# Allegro board WNS_FDM_2V1-1221P2.brd (continued)
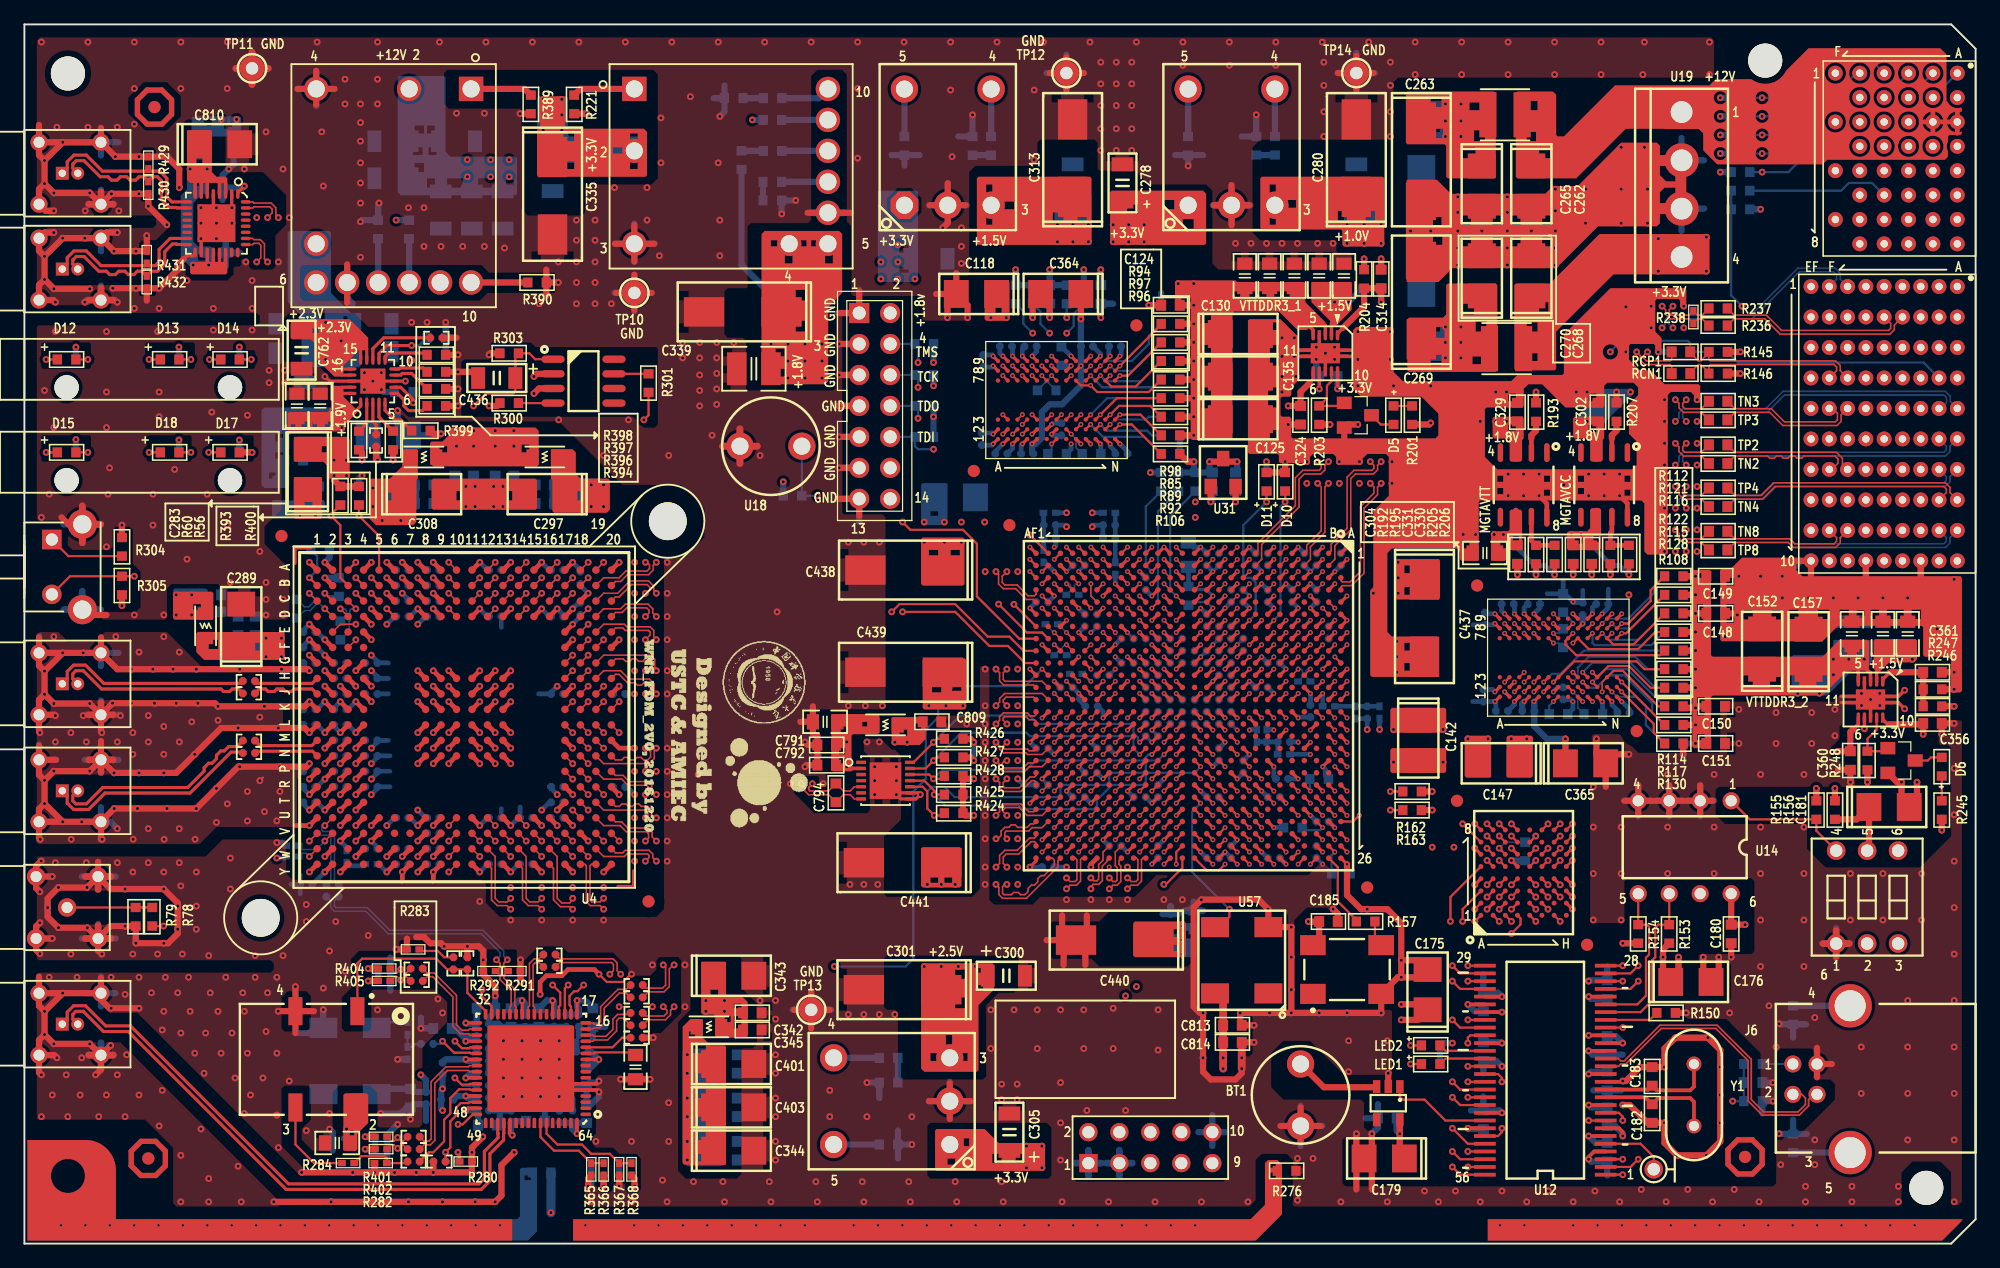
[diagram p0: board, top side]
## Nets (continued)
DDR3_1_A1: R84.2 U10.L7(A1) U15.AB1(IO_L9P_T1_DQS_34)
DDR3_1_A2: R85.2 U10.L3(A2) U15.V2(IO_L8P_T1_34)
DDR3_1_A3: R86.2 U10.K2(A3) U15.Y2(IO_L7N_T1_34)
DDR3_1_A4: R87.2 U10.L8(A4) U15.AC1(IO_L9N_T1_DQS_34)
DDR3_1_A5: R88.2 U10.L2(A5) U15.W1(IO_L10P_T1_34)
DDR3_1_A6: R93.2 U10.M8(A6) U15.V1(IO_L8N_T1_34)
DDR3_1_A7: R95.2 U10.M2(A7) U15.V4(IO_L6P_T0_34)
DDR3_1_A8: R94.2 U10.N8(A8) U15.U6(IO_L1P_T0_34)
DDR3_1_A9: R89.2 U10.M3(A9) U15.U1(IO_L2N_T0_34)
DDR3_1_A10: R90.2 U10.H7(A10/AP) U15.U7(IO_L5P_T0_34)
DDR3_1_A11: R96.2 U10.M7(A11) U15.V3(IO_L4P_T0_34)
DDR3_1_A12: R91.2 U10.K7(A12/BC#) U15.W3(IO_L4N_T0_34)
DDR3_1_A13: R92.2 U10.N3(A13) U15.U5(IO_L1N_T0_34)
DDR3_1_A14: R97.2 U10.N7(A14) U15.U2(IO_L2P_T0_34)
DDR3_1_A15: R98.2 U10.J7(A15) U15.V6(IO_L5N_T0_34)
DDR3_1_BA0: U10.J2(BA0) U15.AC2(IO_L11N_T1_SRCC_34)
DDR3_1_BA1: U10.K8(BA1) U15.AB2(IO_L11P_T1_SRCC_34)
DDR3_1_BA2: U10.J3(BA2) U15.Y1(IO_L10N_T1_34)
DDR3_1_CASN: R104.2 U10.G3(CAS#) U15.AA2(IO_L12N_T1_MRCC_34)
DDR3_1_CKE: U10.G9(CKE) U15.AD6(IO_L18P_T2_34)
DDR3_1_CKN: R99.2 U10.G7(CK#) U15.W5(IO_L3N_T0_DQS_34)
DDR3_1_CKP: R99.1 U10.F7(CK) U15.W6(IO_L3P_T0_DQS_34)
DDR3_1_CSN: R100.2 U10.H2(CS#) U15.AC6(IO_L16N_T2_34)
DDR3_1_DM: U10.B7(DM, DM/TDQS) U15.AD4(IO_L19P_T3_34)
DDR3_1_DQ0: U10.B3(DQ0) U15.AF3(IO_L24P_T3_34)
DDR3_1_DQ1: U10.C7(DQ1) U15.AE5(IO_L23N_T3_34)
DDR3_1_DQ2: U10.C2(DQ2) U15.AF2(IO_L24N_T3_34)
DDR3_1_DQ3: U10.C8(DQ3) U15.AE6(IO_L23P_T3_34)
DDR3_1_DQ4: U10.E3(DQ4/NF) U15.AE1(IO_L20N_T3_34)
DDR3_1_DQ5: U10.E8(DQ5/NF) U15.AD1(IO_L20P_T3_34)
DDR3_1_DQ6: U10.D2(DQ6/NF) U15.AE3(IO_L22P_T3_34)
DDR3_1_DQ7: U10.E7(DQ7/NF) U15.AE2(IO_L22N_T3_34)
DDR3_1_DQSN: U10.D3(DQS#) U15.AF4(IO_L21N_T3_DQS_34)
DDR3_1_DQSP: U10.C3(DQS) U15.AF5(IO_L21P_T3_DQS_34)
DDR3_1_ODT: R101.2 U10.G1(ODT) U15.AA5(IO_L15P_T2_DQS_34)
DDR3_1_RASN: R103.2 U10.F3(RAS#) U15.AA3(IO_L12P_T1_MRCC_34)
DDR3_1_RESETN: R106.2 U10.N2(RESET#) U15.AA4(IO_L13P_T2_MRCC_34)
DDR3_1_WEN: R105.2 U10.H3(WE#) U15.AB5(IO_L15N_T2_DQS_34)
DDR3_2_A0: R107.2 U11.K3(A0) U15.A9(IO_L9P_T1_DQS_16)
DDR3_2_A1: R118.2 U11.L7(A1) U15.A8(IO_L9N_T1_DQS_16)
DDR3_2_A2: R108.2 U11.L3(A2) U15.C9(IO_L10P_T1_16)
DDR3_2_A3: R109.2 U11.K2(A3) U15.D9(IO_L8P_T1_16)
DDR3_2_A4: R110.2 U11.L8(A4) U15.D8(IO_L8N_T1_16)
DDR3_2_A5: R119.2 U11.L2(A5) U15.F8(IO_L7N_T1_16)
DDR3_2_A6: R111.2 U11.M8(A6) U15.F9(IO_L7P_T1_16)
DDR3_2_A7: R113.2 U11.M2(A7) U15.H9(IO_L1P_T0_16)
DDR3_2_A8: R112.2 U11.N8(A8) U15.J10(IO_L4N_T0_16)
DDR3_2_A9: R114.2 U11.M3(A9) U15.G9(IO_L2N_T0_16)
DDR3_2_A10: R115.2 U11.H7(A10/AP) U15.H14(IO_L5P_T0_16)
DDR3_2_A11: R116.2 U11.M7(A11) U15.J11(IO_L4P_T0_16)
DDR3_2_A12: R120.2 U11.K7(A12/BC#) U15.H12(IO_L6P_T0_16)
DDR3_2_A13: R117.2 U11.N3(A13) U15.H8(IO_L1N_T0_16)
DDR3_2_A14: R121.2 U11.N7(A14) U15.G10(IO_L2P_T0_16)
DDR3_2_A15: R122.2 U11.J7(A15) U15.G14(IO_L5N_T0_16)
DDR3_2_BA0: U11.J2(BA0) U15.F10(IO_L11N_T1_SRCC_16)
DDR3_2_BA1: U11.K8(BA1) U15.G11(IO_L11P_T1_SRCC_16)
DDR3_2_BA2: U11.J3(BA2) U15.B9(IO_L10N_T1_16)
DDR3_2_CASN: R128.2 U11.G3(CAS#) U15.D10(IO_L12N_T1_MRCC_16)
DDR3_2_CKE: U11.G9(CKE) U15.E13(IO_L18P_T2_16)
DDR3_2_CKN: R123.2 U11.G7(CK#) U15.H13(IO_L3N_T0_DQS_16)
DDR3_2_CKP: R123.1 U11.F7(CK) U15.J13(IO_L3P_T0_DQS_16)
DDR3_2_CSN: R124.2 U11.H2(CS#) U15.F12(IO_L16N_T2_16)
DDR3_2_DM: U11.B7(DM, DM/TDQS) U15.C14(IO_L19P_T3_16)
DDR3_2_DQ0: U11.B3(DQ0) U15.B15(IO_L23P_T3_16)
DDR3_2_DQ1: U11.C7(DQ1) U15.A13(IO_L24P_T3_16)
DDR3_2_DQ2: U11.C2(DQ2) U15.A15(IO_L23N_T3_16)
DDR3_2_DQ3: U11.C8(DQ3) U15.B12(IO_L20P_T3_16)
DDR3_2_DQ4: U11.E3(DQ4/NF) U15.A10(IO_L22N_T3_16)
DDR3_2_DQ5: U11.E8(DQ5/NF) U15.A12(IO_L24N_T3_16)
DDR3_2_DQ6: U11.D2(DQ6/NF) U15.B10(IO_L22P_T3_16)
DDR3_2_DQ7: U11.E7(DQ7/NF) U15.B11(IO_L20N_T3_16)
DDR3_2_DQSN: U11.D3(DQS#) U15.A14(IO_L21N_T3_DQS_16)
DDR3_2_DQSP: U11.C3(DQS) U15.B14(IO_L21P_T3_DQS_16)
DDR3_2_ODT: R125.2 U11.G1(ODT) U15.F14(IO_L15P_T2_DQS_16)
DDR3_2_RASN: R127.2 U11.F3(RAS#) U15.E10(IO_L12P_T1_MRCC_16)
DDR3_2_RESETN: R130.2 U11.N2(RESET#) U15.C12(IO_L13P_T2_MRCC_16)
DDR3_2_WEN: R129.2 U11.H3(WE#) U15.F13(IO_L15N_T2_DQS_16)
DI_N0: U4.C17(DI0-) U15.AD18(IO_L13N_T2_MRCC_32)
DI_N1: U4.B20(DI1-) U15.V17(IO_L20N_T3_32)
DI_N2: U4.C20(DI2-) U15.AB15(IO_L10N_T1_32)
DI_N3: U4.E18(DI3-) U15.W19(IO_L21N_T3_DQS_32)
DI_N4: U4.D20(DI4-) U15.W14(IO_L24N_T3_32)
DI_N5: U4.E20(DI5-) U15.AE15(IO_L4N_T0_32)
DI_N6: U4.F19(DI6-) U15.Y18(IO_L19N_T3_VREF_32)
DI_N7: U4.G18(DI7-) U15.AA18(IO_L11N_T1_SRCC_32)
DI_N8: U4.G20(DI8-) U15.AF15(IO_L2N_T0_32)
DI_N9: U4.H18(DI9-) U15.AF17(IO_L1N_T0_32)
DI_N10: U4.H20(DI10-) U15.AA20(IO_L16N_T2_32)
DI_N11: U4.J19(DI11-) U15.AF18(IO_L3N_T0_DQS_32)
DI_P0: U4.B18(DI0+) U15.AC18(IO_L13P_T2_MRCC_32)
DI_P1: U4.B19(DI1+) U15.V16(IO_L20P_T3_32)
DI_P2: U4.C19(DI2+) U15.AB14(IO_L10P_T1_32)
DI_P3: U4.D18(DI3+) U15.W18(IO_L21P_T3_DQS_32)
DI_P4: U4.D19(DI4+) U15.V14(IO_L24P_T3_32)
DI_P5: U4.E19(DI5+) U15.AD15(IO_L4P_T0_32)
DI_P6: U4.F18(DI6+) U15.Y17(IO_L19P_T3_32)
DI_P7: U4.G17(DI7+) U15.AA17(IO_L11P_T1_SRCC_32)
DI_P8: U4.G19(DI8+) U15.AF14(IO_L2P_T0_32)
DI_P9: U4.H17(DI9+) U15.AE17(IO_L1P_T0_32)
DI_P10: U4.H19(DI10+) U15.AA19(IO_L16P_T2_32)
DI_P11: U4.J18(DI11+) U15.AE18(IO_L3P_T0_DQS_32)
DID_N0: U4.B10(DID0-) U15.AF12(IO_L21N_T3_DQS_33)
DID_N1: U4.D10(DID1-) U15.AB20(IO_L18N_T2_32)
DID_N2: U4.C11(DID2-) U15.AE16(IO_L6N_T0_VREF_32)
DID_N3: U4.B12(DID3-) U15.AD14(IO_L8N_T1_32)
DID_N4: U4.D12(DID4-) U15.AE20(IO_L15N_T2_DQS_32)
DID_N5: U4.C13(DID5-) U15.AC17(IO_L14N_T2_SRCC_32)
DID_N6: U4.B14(DID6-) U15.W16(IO_L22N_T3_32)
DID_N7: U4.D14(DID7-) U15.AF20(IO_L5N_T0_32)
DID_N8: U4.C15(DID8-) U15.AD19(IO_L17N_T2_32)
DID_N9: U4.B16(DID9-) U15.Y16(IO_L9N_T1_DQS_32)
DID_N10: U4.C16(DID10-) U15.V19(IO_L23N_T3_32)
DID_N11: U4.A19(DID11-) U15.AA15(IO_L7N_T1_32)
DID_P0: U4.A10(DID0+) U15.AE12(IO_L21P_T3_DQS_33)
DID_P1: U4.C10(DID1+) U15.AB19(IO_L18P_T2_32)
DID_P2: U4.B11(DID2+) U15.AD16(IO_L6P_T0_32)
DID_P3: U4.A12(DID3+) U15.AC14(IO_L8P_T1_32)
DID_P4: U4.C12(DID4+) U15.AD20(IO_L15P_T2_DQS_32)
DID_P5: U4.B13(DID5+) U15.AB17(IO_L14P_T2_SRCC_32)
DID_P6: U4.A14(DID6+) U15.W15(IO_L22P_T3_32)
DID_P7: U4.C14(DID7+) U15.AF19(IO_L5P_T0_32)
DID_P8: U4.B15(DID8+) U15.AC19(IO_L17P_T2_32)
DID_P9: U4.A16(DID9+) U15.Y15(IO_L9P_T1_DQS_32)
DID_P10: U4.B17(DID10+) U15.V18(IO_L23P_T3_32)
DID_P11: U4.A18(DID11+) U15.AA14(IO_L7P_T1_32)
DQ_N0: U4.V17(DQ0-) U15.AF25(IO_L20N_T3_12)
DQ_N1: U4.W20(DQ1-) U15.AE26(IO_L21N_T3_DQS_12)
DQ_N2: U4.V20(DQ2-) U15.AC24(IO_L14N_T2_SRCC_12)
DQ_N3: U4.T18(DQ3-) U15.AD24(IO_L16N_T2_12)
DQ_N4: U4.U20(DQ4-) U15.AE25(IO_L23N_T3_12)
DQ_N5: U4.T20(DQ5-) U15.Y21(IO_L15N_T2_DQS_12)
DQ_N6: U4.R19(DQ6-) U15.AA22(IO_L13N_T2_MRCC_12)
DQ_N7: U4.P18(DQ7-) U15.AC21(IO_L18N_T2_12)
DQ_N8: U4.P20(DQ8-) U15.AF23(IO_L22N_T3_12)
DQ_N9: U4.N18(DQ9-) U15.AC22(IO_L17N_T2_12)
DQ_N10: U4.N20(DQ10-) U15.AE21(IO_L19N_T3_VREF_12)
DQ_N11: U4.M19(DQ11-) U15.AF22(IO_L24N_T3_12)
DQ_P0: U4.W18(DQ0+) U15.AF24(IO_L20P_T3_12)
DQ_P1: U4.W19(DQ1+) U15.AD26(IO_L21P_T3_DQS_12)
DQ_P2: U4.V19(DQ2+) U15.AC23(IO_L14P_T2_SRCC_12)
DQ_P3: U4.U18(DQ3+) U15.AD23(IO_L16P_T2_12)
DQ_P4: U4.U19(DQ4+) U15.AD25(IO_L23P_T3_12)
DQ_P5: U4.T19(DQ5+) U15.W20(IO_L15P_T2_DQS_12)
DQ_P6: U4.R18(DQ6+) U15.Y22(IO_L13P_T2_MRCC_12)
DQ_P7: U4.P17(DQ7+) U15.AB21(IO_L18P_T2_12)
DQ_P8: U4.P19(DQ8+) U15.AE23(IO_L22P_T3_12)
DQ_P9: U4.N17(DQ9+) U15.AB22(IO_L17P_T2_12)
DQ_P10: U4.N19(DQ10+) U15.AD21(IO_L19P_T3_12)
DQ_P11: U4.M18(DQ11+) U15.AE22(IO_L24P_T3_12)
DQD_N0: U4.W10(DQD0-) U15.Y12(IO_L18N_T2_33)
DQD_N1: U4.U10(DQD1-) U15.U25(IO_L2N_T0_12)
DQD_N2: U4.V11(DQD2-) U15.V24(IO_L3N_T0_DQS_12)
DQD_N3: U4.W12(DQD3-) U15.V26(IO_L4N_T0_12)
DQD_N4: U4.U12(DQD4-) U15.W21(IO_L6N_T0_VREF_12)
DQD_N5: U4.V13(DQD5-) U15.W24(IO_L8N_T1_12)
DQD_N6: U4.W14(DQD6-) U15.V22(IO_L1N_T0_12)
DQD_N7: U4.U14(DQD7-) U15.AB25(IO_L7N_T1_12)
DQD_N8: U4.V15(DQD8-) U15.AC26(IO_L9N_T1_DQS_12)
DQD_N9: U4.W16(DQD9-) U15.Y26(IO_L10N_T1_12)
DQD_N10: U4.V16(DQD10-) U15.AB24(IO_L11N_T1_SRCC_12)
DQD_N11: U4.Y19(DQD11-) U15.W26(IO_L5N_T0_12)
DQD_P0: U4.Y10(DQD0+) U15.Y13(IO_L18P_T2_33)
DQD_P1: U4.V10(DQD1+) U15.U24(IO_L2P_T0_12)
DQD_P2: U4.W11(DQD2+) U15.V23(IO_L3P_T0_DQS_12)
DQD_P3: U4.Y12(DQD3+) U15.U26(IO_L4P_T0_12)
DQD_P4: U4.V12(DQD4+) U15.V21(IO_L6P_T0_12)
DQD_P5: U4.W13(DQD5+) U15.W23(IO_L8P_T1_12)
DQD_P6: U4.Y14(DQD6+) U15.U22(IO_L1P_T0_12)
DQD_P7: U4.V14(DQD7+) U15.AA25(IO_L7P_T1_12)
DQD_P8: U4.W15(DQD8+) U15.AB26(IO_L9P_T1_DQS_12)
DQD_P9: U4.Y16(DQD9+) U15.Y25(IO_L10P_T1_12)
DQD_P10: U4.W17(DQD10+) U15.AA23(IO_L11P_T1_SRCC_12)
DQD_P11: U4.Y18(DQD11+) U15.W25(IO_L5P_T0_12)
ESD_S1: R277.1
ESD_S2: R277.2
ESD_S3: R276.1
FCS_B: R160.1 U15.C23(IO_L6P_T0_FCS_B_14) U17.B4(CE#)
FD0: U12.25(PB0/FD0) U15.N19(IO_L7P_T1_13)
FD1: U12.26(PB1/FD1) U15.K25(IO_L1P_T0_13)
FD2: U12.27(PB2/FD2) U15.M21(IO_L10P_T1_13)
FD3: U12.28(PB3/FD3) U15.L25(IO_L3N_T0_DQS_13)
FD4: U12.29(PB4/FD4) U15.L24(IO_L8N_T1_13)
FD5: U12.30(PB5/FD5) U15.K26(IO_L1N_T0_13)
FD6: U12.31(PB6/FD6) U15.N16(IO_0_13)
FD7: U12.32(PB7/FD7) U15.N17(IO_L20N_T3_13)
FD8: U12.52(PD0/FD8) U15.N24(IO_L4N_T0_13)
FD9: U12.53(PD1/FD9) U15.N22(IO_L12N_T1_MRCC_13)
FD10: U12.54(PD2/FD10) U15.T20(IO_L16P_T2_13)
FD11: U12.55(PD3/FD11) U15.P21(IO_L13N_T2_MRCC_13)
FD12: U12.56(PD4/FD12) U15.R21(IO_L13P_T2_MRCC_13)
FD13: U12.1(PD5/FD13) U15.T22(IO_L17P_T2_13)
FD14: U12.2(PD6/FD14) U15.R22(IO_L14P_T2_SRCC_13)
FD15: U12.3(PD7/FD15) U15.U20(IO_L18N_T2_13)
FIFOADR0: U12.44(PA4/FIFOADR0) U15.R20(IO_L16N_T2_13)
FIFOADR1: U12.45(PA5/FIFOADR1) U15.M26(IO_L5N_T0_13)
FLAGA: U12.36(CTL0/*FLAGA) U15.P16(IO_L20P_T3_13)
FLAGB: U12.37(CTL1/*FLAGB) U15.R16(IO_L21P_T3_DQS_13)
FLAGC: U12.38(CTL2/*FLAGC) U15.P19(IO_L9P_T1_DQS_13)
FLAGD/SLCS#: U12.47(PA7/*FLAGD/SLCS#) U15.M20(IO_L7N_T1_13)
FOE_B: R162.2 U15.M17(IO_L23P_T3_FOE_B_15) U17.F8(OE#)
FPGA_CLK: U15.N21(IO_L12P_T1_MRCC_13) U57.3(OUTPUT)
FPGA_CLK3+: C454.1 R369.2 U15.AC9(IO_L12P_T1_MRCC_33)
FPGA_CLK3-: C453.1 R369.1 U15.AD9(IO_L12N_T1_MRCC_33)
FPGA_PERN0: U15.B5(MGTXRXN3_116) XJ3.D5(1PERN0)
FPGA_PERN1: U15.C3(MGTXRXN2_116) XJ3.F6(1PERN1)
FPGA_PERN2: U15.E3(MGTXRXN1_116) XJ3.D6(1PERN2)
FPGA_PERN3: U15.G3(MGTXRXN0_116) XJ3.D7(1PERN3)
FPGA_PERN4: U15.J3(MGTXRXN3_115) XJ3.F8(1PERN4)
FPGA_PERN5: U15.L3(MGTXRXN2_115) XJ3.D8(1PERN5)
FPGA_PERN6: U15.N3(MGTXRXN1_115) XJ3.D9(1PERN6)
FPGA_PERN7: U15.R3(MGTXRXN0_115) XJ3.F10(1PERN7)
FPGA_PERP0: U15.B6(MGTXRXP3_116) XJ3.C5(1PERP0)
FPGA_PERP1: U15.C4(MGTXRXP2_116) XJ3.E6(1PERP1)
FPGA_PERP2: U15.E4(MGTXRXP1_116) XJ3.C6(1PERP2)
FPGA_PERP3: U15.G4(MGTXRXP0_116) XJ3.C7(1PERP3)
FPGA_PERP4: U15.J4(MGTXRXP3_115) XJ3.E8(1PERP4)
FPGA_PERP5: U15.L4(MGTXRXP2_115) XJ3.C8(1PERP5)
FPGA_PERP6: U15.N4(MGTXRXP1_115) XJ3.C9(1PERP6)
FPGA_PERP7: U15.R4(MGTXRXP0_115) XJ3.E10(1PERP7)
FPGA_PERSTN: R298.1 R299.1 U15.M19(IO_L22N_T3_13)
FPGA_PETN0: TN1.1 U15.A3(MGTXTXN3_116)
FPGA_PETN1: TN3.1 U15.B1(MGTXTXN2_116)
FPGA_PETN2: TN5.1 U15.D1(MGTXTXN1_116)
FPGA_PETN3: TN7.1 U15.F1(MGTXTXN0_116)
FPGA_PETN4: TN2.1 U15.H1(MGTXTXN3_115)
FPGA_PETN5: TN4.1 U15.K1(MGTXTXN2_115)
FPGA_PETN6: TN6.1 U15.M1(MGTXTXN1_115)
FPGA_PETN7: TN8.1 U15.P1(MGTXTXN0_115)
FPGA_PETP0: TP1.1 U15.A4(MGTXTXP3_116)
FPGA_PETP1: TP3.1 U15.B2(MGTXTXP2_116)
FPGA_PETP2: TP5.1 U15.D2(MGTXTXP1_116)
FPGA_PETP3: TP7.1 U15.F2(MGTXTXP0_116)
FPGA_PETP4: TP2.1 U15.H2(MGTXTXP3_115)
FPGA_PETP5: TP4.1 U15.K2(MGTXTXP2_115)
FPGA_PETP6: TP6.1 U15.M2(MGTXTXP1_115)
FPGA_PETP7: TP8.1 U15.P2(MGTXTXP0_115)
FPGA_PXIE_DSTARB+: R236.1 R238.2 U15.AA9(IO_L11P_T1_SRCC_33)
FPGA_PXIE_DSTARB-: R237.1 R238.1 U15.AB9(IO_L11N_T1_SRCC_33)
FPGA_PXIE_DSTARC+: R234.1 U15.Y8(IO_L4P_T0_33)
FPGA_PXIE_DSTARC-: R235.1 U15.Y7(IO_L4N_T0_33)
FPGA_REFCLK+: RCP1.1 U15.K6(MGTREFCLK1P_115)
FPGA_REFCLK-: RCN1.1 U15.K5(MGTREFCLK1N_115)
FPGA_STAR_PXI: R132.1 R133.1 U15.U19(IO_L18P_T2_13)
FWE_B: R163.1 U15.L18(IO_L23N_T3_FWE_B_15) U17.G8(WE#)
GA0: R229.2 U15.B16(IO_L1N_T0_AD0N_15) XJ4.E1(GA0)
GA1: R230.2 U15.A18(IO_L2P_T0_AD8P_15) XJ4.D1(GA1)
GA2: R231.2 U15.A19(IO_L2N_T0_AD8N_15) XJ4.C1(GA2)
GA3: R232.2 U15.B17(IO_L3P_T0_DQS_AD1P_15) XJ4.B1(GA3)
GA4: R233.2 U15.A17(IO_L3N_T0_DQS_AD1N_15) XJ4.A1(GA4)
IFCLK: U12.20(*IFCLK) U15.N26(IO_L5P_T0_13)
INIT_B: D10.1(ANODE) R168.2 U15.G7(INIT_B_0) U17.D4(RST#)
LMK04821: R279.1 U6.3(OUTPUT)
LMK04821_CLKIN1+: C768.1 U34.34(CLKIN1/FIN/FBCLKIN)
LMK04821_CLKIN1-: C769.1 U34.35(CLKIN1*/FIN*/FBCLKIN*)
LMK04821_CLKIN2+: C765.1 U34.40(OSCOUT/CLKIN2)
LMK04821_CLKIN2-: C766.1 U34.41(OSCOUT*/CLKIN2*)
LMK_CS: U15.T18(IO_L19P_T3_13) U34.18(CS)
LMK_DATA: U15.P18(IO_L24N_T3_13) U34.20(SDIO)
LMK_SCK: U15.R18(IO_L24P_T3_13) U34.19(SCK)
MGTAVCC: C325.1 C326.1 C327.1 C328.1 C330.1 C331.1 C397.1 R206.1 U15.C6(MGTAVCC_1) U15.E6(MGTAVCC_2) U15.G6(MGTAVCC_3) U15.J6(MGTAVCC_4) U15.L6(MGTAVCC_5) U30.6(VO)
MGTAVTT: C303.1 C304.1 C318.1 C319.1 C341.2 C392.1 C393.1 C394.1 C395.1 C396.1 R195.1 R225.2 U15.B3(MGTAVTT_1) U15.C2(MGTAVTT_2) U15.D3(MGTAVTT_3) U15.G2(MGTAVTT_4) U15.H3(MGTAVTT_5) U15.L2(MGTAVTT_6) U15.M3(MGTAVTT_7) U15.M5(MGTAVTTRCAL_115) U26.6(VO)
MGTVCCAUX: C332.1 C333.1 U15.N6(MGTVCCAUX) U31.2(OUT)
ORI_N: U4.K18(ORI-) U15.AF13(IO_L23N_T3_33)
ORI_P: U4.K17(ORI+) U15.AE13(IO_L23P_T3_33)
ORQ_N: U4.L18(ORQ-) U15.AD13(IO_L17N_T2_33)
ORQ_P: U4.L17(ORQ+) U15.AC13(IO_L17P_T2_33)
PERSTN: R298.2 XJ3.B4(PERST#)
PETN0: TN1.2 XJ3.B5(1PETN0)
PETN1: TN3.2 XJ3.F5(1PETN1)
PETN2: TN5.2 XJ3.B6(1PETN2)
PETN3: TN7.2 XJ3.B7(1PETN3)
PETN4: TN2.2 XJ3.F7(1PETN4)
PETN5: TN4.2 XJ3.B8(1PETN5)
PETN6: TN6.2 XJ3.B9(1PETN6)
PETN7: TN8.2 XJ3.F9(1PETN7)
PETP0: TP1.2 XJ3.A5(1PETP0)
PETP1: TP3.2 XJ3.E5(1PETP1)
PETP2: TP5.2 XJ3.A6(1PETP2)
PETP3: TP7.2 XJ3.A7(1PETP3)
PETP4: TP2.2 XJ3.E7(1PETP4)
PETP5: TP4.2 XJ3.A8(1PETP5)
PETP6: TP6.2 XJ3.A9(1PETP6)
PETP7: TP8.2 XJ3.E9(1PETP7)
PKTEND: U12.46(PA6/*PKTEND) U15.M24(IO_L8P_T1_13)
PLL_STATUS_LD1: U15.T25(IO_L15N_T2_DQS_13) U34.31(STATUS_LD1)
PLL_STATUS_LD2: U15.R25(IO_L6P_T0_13) U34.48(STATUS_LD2)
PPS+: R434.1 U15.AC8(IO_L9P_T1_DQS_33) U62.26(OUT3+)
PPS-: R434.2 U15.AD8(IO_L9N_T1_DQS_33) U62.25(OUT3-)
PROGM_B: R169.2 U15.P6(PROGRAM_B_0) U18.2
PXIE_CLK100+: C768.2 R404.1 XJ3.A1(PXIE_CLK100+)
PXIE_CLK100-: C769.2 R405.2 XJ3.B1(PXIE_CLK100-)
PXIE_DSTARA+: C765.2 R401.1 XJ3.E2(PXIE_DSTARA+)
PXIE_DSTARA-: C766.2 R402.2 XJ3.F2(PXIE_DSTARA-)
PXIE_DSTARB+: R236.2 XJ3.C2(PXIE_DSTARB+)
PXIE_DSTARB-: R237.2 XJ3.D2(PXIE_DSTARB-)
PXIE_DSTARC+: R234.2 XJ3.E1(PXIE_DSTARC+)
PXIE_DSTARC-: R235.2 XJ3.F1(PXIE_DSTARC-)
REFCLK+: R145.2 RCP1.2 XJ3.E4(1REFCLK+)
REFCLK-: R146.2 RCN1.2 XJ3.F4(1REFCLK-)
RESET#: U12.49(RESET#) U13.1(\\R\E\S\E\T)
SCL: R153.1 U12.22(SCL) U14.6(SCL)
SCLK: U4.C5(SCLK) U15.AA12(IO_L16N_T2_33)
SDA: R154.1 U12.23(SDA) U14.5(SDA)
SDI: U4.B4(SDI) U15.AB10(IO_L14N_T2_SRCC_33)
SDO: U4.A3(SDO) U15.AC12(IO_L15N_T2_DQS_33)
SLOE: U12.42(PA2/*SLOE) U15.P20(IO_L9N_T1_DQS_13)
SLRD: U12.8(RDY0/*SLRD) U15.M22(IO_L10N_T1_13)
SLWR: U12.9(RDY1/*SLWR) U15.M25(IO_L3P_T0_DQS_13)
SMBCLK: R427.2 U15.U17(IO_L23P_T3_13) U60.13(SMBCLK)
SMBDAT: R428.2 U15.T17(IO_L23N_T3_13) U60.12(SMBDAT)
STAR_PXI: R132.2 XJ4.D6(PXI_STAR)
SYNC_CLK_125M+: R433.2 U15.AB11(IO_L13P_T2_MRCC_33) U62.32(OUT0+)
SYNC_CLK_125M-: R433.1 U15.AC11(IO_L13N_T2_MRCC_33) U62.31(OUT0-)
TCK: J7.6 R165.2 U15.L8(TCK_0)
TCRIT1: R424.2 U15.R17(IO_L21N_T3_DQS_13) U60.10(\T\C\R\I\T\1)
TCRIT2: R425.2 U15.N18(IO_L22P_T3_13) U60.11(\T\C\R\I\T\2)
TCRIT3: R426.2 U15.U16(IO_25_13) U60.14(\T\C\R\I\T\3)
TDI: J7.10 R167.2 U15.R6(TDI_0)
TDO: J7.8 R166.2 U15.R7(TDO_0)
TEST1: D12.2(CATHODE) U15.AF9(IO_L24N_T3_33)
TEST2: D13.2(CATHODE) U15.AF10(IO_L24P_T3_33)
TEST3: D14.2(CATHODE) U15.AE8(IO_L22P_T3_33)
TEST4: D15.2(CATHODE) U15.AF8(IO_L22N_T3_33)
TEST5: D18.2(CATHODE) U15.AF7(IO_L7N_T1_33)
TMS: J7.4 R164.2 U15.N8(TMS_0)
TRIGGER1: R78.2 U15.P23(IO_L11P_T1_SRCC_13)
VBIASI1: C18.1 U4.J4(VBIASI1)
VBIASI2: C19.1 U4.K2(VBIASI2)
VBIASQ1: C20.1 U4.L2(VBIASQ1)
VBIASQ2: C21.1 U4.M4(VBIASQ2)
VCMO: R407.1 U4.C2(VCMO)
VTTDDR3_1: C121.2 C122.2 C123.2 C124.2 C125.1 C130.1 C135.1 C321.1 C322.1 C323.1 R83.1 R84.1 R85.1 R86.1 R87.1 R88.1 R89.1 R90.1 R91.1 R92.1 R93.1 R94.1 R95.1 R96.1 R97.1 R98.1 R103.1 R104.1 R105.1 U29.3(VO) U29.5(VOSNS)
VTTDDR3_2: C148.2 C149.2 C150.2 C151.2 C152.1 C157.1 C162.1 C357.1 C358.1 C359.1 R107.1 R108.1 R109.1 R110.1 R111.1 R112.1 R113.1 R114.1 R115.1 R116.1 R117.1 R118.1 R119.1 R120.1 R121.1 R122.1 R127.1 R128.1 R129.1 U33.3(VO) U33.5(VOSNS)
VTTVREF_1: C136.2 C137.2 C324.1 C364.1 U10.E1(VREFDQ) U10.J8(VREFCA) U29.6(REFOUT)
VTTVREF_2: C163.2 C164.2 C360.1 C365.1 U11.E1(VREFDQ) U11.J8(VREFCA) U33.6(REFOUT)
WAKEUP: C177.2 R147.2 R149.2 U12.51(*WAKEUP)
WU2: SW1.2(A2) U12.43(PA3/*WU2)
XIRU_TEST_PORT2: J14.2 U15.R26(IO_L2P_T0_13)
XIRU_TEST_PORT4: J14.4 U15.P26(IO_L2N_T0_13)
XIRU_TEST_PORT5: J14.5 U15.T24(IO_L15P_T2_DQS_13)
XIRU_TEST_PORT6: J14.6 U15.P25(IO_L6N_T0_VREF_13)
XIRU_TEST_PORT7: J14.7 U15.T23(IO_L17N_T2_13)
XIRU_TEST_PORT8: J14.8 U15.P24(IO_L4P_T0_13)
XIRU_TEST_PORT9: J14.9 U15.R23(IO_L14N_T2_SRCC_13)
XTALIN: C183.2 U12.12(XTALIN) Y1.1
XTALOUT: C182.2 U12.11(XTALOUT) Y1.2
N2479949: R47.1 U4.C3(REXT+)
N2479955: R47.2 U4.D3(REXT-)
N2479965: R48.1 U4.C1(RTRIM+)
N2479971: R48.2 U4.D2(RTRIM-)
N2480023: R54.1 U4.B1(VBG)
N2480027: R52.1 U4.V2(DCLK_RST+)
N2480033: R53.1 U4.W1(DCLK_RST-)
N2480455: R56.1 R57.1 U4.A5(NDM)
N2480549: R58.1 R59.1 U4.Y3(FSR)
N2480699: R60.1 R61.1 U4.B3(/ECE)
N2522021: J4.1(IO) R78.1 R79.1
N6978723: R159.2 U15.B25(IO_L3P_T0_DQS_PUDC_B_14)
N6978739: R157.2 U15.B26(IO_L3N_T0_DQS_EMCCLK_14)
N6983049: R171.2 U15.P5(M2_0)
N6983053: R174.2 U15.T5(M0_0)
N6983057: R172.2 U15.T2(M1_0)
N6983091: D11.1(ANODE) R170.2 U15.J7(DONE_0)
N7941632: R173.1 U17.C6(WP#)
N10902226: R157.1 U16.3(OUT)
N16774590: R102.2 U10.H8(ZQ)
N16808704: R126.2 U11.H8(ZQ)
N16810438: J6.6(S2) R152.1
N16810511: TP9.1(TP) U12.5(CLKOUT)
N16810513: R150.2 U12.21(RESERVED)
N16810555: J6.2(DM) U12.16(DMINUS)
N16810557: J6.3(DP) U12.15(DPLUS)
N16810636: BT1.1 U13.3(\\M\R)
N16810845: LED1.2(CATHODE) U12.41(PA1/INT1#)
N16810890: LED1.1(ANODE) R148.1
N16810892: LED2.1(ANODE) R151.1
N16811247: C181.1 R156.1 SW1.5(B2)
N16916419: R186.1 U24.5(INHIBIT)
N16916421: R187.2 R188.1
N16916431: R187.1 U24.4(VOADIUST)
N16916614: R194.1 U27.5(INHIBIT)
N16916616: R196.2 R197.1
N16916626: R196.1 U27.4(VOADIUST)
N16917164: R192.1 R195.2 U26.7(FB)
N16917275: R205.1 R206.2 U30.7(FB)
N16941733: C314.1 R202.2 R204.1 U29.1(REFIN)
N16941810: Q1.1(GATE) R203.2 U29.9(PGOOD)
N16953617: R198.1 U28.5(INHIBIT)
N16953619: R199.2 R200.1
N16953629: R199.1 U28.4(VOADIUST)
N17050323: R221.2 U32.1(SMARTSYNC)
N17050346: R210.1 R213.2
N17050348: R213.1 U32.8(TURBOTRANSTM)
N17050384: R209.2 R222.1
N17050386: R209.1 U32.7(VOADJUST)
N17050402: R218.1 U32.9(TRACK)
N17050423: R223.1 U32.10(INHIBIT AND UVLO)
N17050425: R223.2 R224.1
N17158977: R225.1 U15.M6(MGTRREF_115)
N17299230: C361.1 R246.2 R247.1 U33.1(REFIN)
N17299306: Q2.1(GATE) R248.2 U33.9(PGOOD)
N17495344: J6.5(S1) R278.1
N17558140: C411.2 U34.11(LDOBYP1)
N17558142: C410.2 U34.12(LDOBYP2)
N17558156: C415.1 U34.43(OSCIN)
N17558206: C416.2 U34.37(CLKIN0)
N17558600: C412.2 C421.2 U34.32(CPOUT1) U35.1(VOLT_CNTRL)
N17558607: C419.2 R282.1 R284.2
N17558613: R284.1 U35.3(OUT)
N17558631: C419.1 U34.44(OSCIN*)
N17558641: C408.2 R280.1
N17558643: C408.1 C417.1 U34.46(CPOUT2)
N17558659: C413.1 R279.2 R281.1
N17558661: C413.2 U34.38(CLKIN0*)
N17620275: C436.1 R303.1 R305.2 U36.1(M\R\) U63.2(PIN2)
N17620292: R300.2 U36.4(PFI)
N17620294: R301.1 U36.7(R\E\S\E\T\)
N17650733: D12.1(ANODE) R306.2
N17650763: D13.1(ANODE) R307.2
N18072394: R388.1 U58.7(VOADJUST)
N18074867: R391.1 U58.8(TURBOTRANSTM)
N18078872: C758.2 U59.3(FB)
N18081703: R392.1 U59.12(BIAS)
N18102810: C764.1 R401.2 R402.1 R403.1
N18120412: C767.1 R404.2 R405.1 R406.1
N18121616: C770.1 J8.1(P)
N18121619: C771.1 J8.2(N)
N18121631: C772.1 J9.1(P)
N18121634: C773.1 J9.2(N)
N18160273: C774.2 R408.2 R409.1 R410.1
N18161206: C775.2 R411.2 R412.1 R413.1
N18161770: C776.2 R414.2 R415.1 R416.1
N18161825: C777.2 R417.2 R418.1 R419.1
N18197694: C790.1 U34.16(DCLKOUT2*)
N18197699: C789.1 U34.15(DCLKOUT2)
N18197765: C788.1 U34.14(SDCLKOUT3*)
N18197770: C787.1 U34.13(SDCLKOUT3)
N18454595: J15.2(N) R430.1 U62.10(IN0-)
N18454598: J15.1(P) R429.2 U62.9(IN0+)
N18454783: J16.2(N) R432.1 U62.16(IN3-)
N18454786: J16.1(P) R431.2 U62.15(IN3+)
N18540103: D14.1(ANODE) R435.2
N18540113: D15.1(ANODE) R436.2
N18540264: D17.1(ANODE) R438.2
N18567534: D18.1(ANODE) R439.2
N168105510: J6.1(VBUS) R149.1
N169171520: R193.1 U26.2(EN)
N169172710: R207.1 U30.2(EN)
N169415771: D5.1(ANODE) R201.2
N169416590: D5.2(CATHODE) Q1.3(DRAIN)
N172991041: D6.1(ANODE) R245.2
N172991780: D6.2(CATHODE) Q2.3(DRAIN)
N175583060: C412.1 R283.2
N176209151: R304.2 U63.1(PIN1)
N180715730: R389.2 U58.1(SMARTSYNC)
N180715739: R390.1 U58.10(INHIBIT AND UVLO)
N180779651: R393.2 U59.2(SNS)
N180779653: R400.2 U59.4(PG)
N180779654: R399.1 U59.5(50MV)
N180779655: R394.1 U59.6(100MV)
N180779656: R398.1 U59.11(1.6V)
N180779658: C763.1 U59.13(NR/SS)
N1681050744: LED2.2(CATHODE) U12.40(PA0/INT0#)
N1807796511: R395.1 U59.7(200MV)
N1807796513: R396.1 U59.9(400MV)
N1807796514: R397.1 U59.10(800MV)

Pads without a net: J7 12 14; NOREF#3 1; NOREF#4 1; NOREF#5 1; NOREF#9 1; NOREF#10 1; NOREF#11 1; NOREF#12 1; NOREF#13 1; NOREF#15 1; NOREF#16 1; NOREF#19 1; NOREF#20 1; NOREF#21 1; NOREF#24 1; NOREF#25 1; NOREF#26 1; SW1 3 4; U4 C7 D1 D7 E3 F4 U6 U7 V6 V7 W3 W5 Y4 Y5; U6 1; U10 A3 A7 F1 F9 H1 H9; U11 A3 A7 F1 F9 H1 H9; U13 4; U14 7; U15 AA7 AA8 AB4 AB6 AB7 AC7 AD5 AD10 AD11 AE7 AE10 B19 C11 C16 C17 C18 C19 D5 D6 D13 D14 D15 D16 D18 D19 D23 D24 D25 E12 E15 E16 E17 E18 E21 E23 E25 F5 F6 F15 F17 F18 F19 F20 F22 F23 F24 G12 G15 G16 G17 G19 G22 G24 G25 H5 H6 H16 H17 H18 J8 J14 J15 J16 J21 K15 K18 K21 L17 L19 L23 M16 N12 N23 P11 T7 U4 U9 U21 V7 V8 V9 V11 V12 V13 W8 W9 W10 W11 W13 Y5 Y6 Y10 Y11 Y20; U16 1; U17 E8 F1 F7 G2 H1; U26 1 4 5; U30 1 4 5; U34 1 2 3 4 7 8 9 22 23 29 30 49 50 54 55 56 57 60 61 62 63; U36 5 6 8; U57 1; U60 1 3 4 6; U62 11 12 13 14 27 28 29 30; XJ3 A2 A3 A4 A10 B2 B3 B10 C1 C3 C4 C10 D1 D3 D4 D10 E3 F3; XJ4 A2 A5 A6 A7 A8 B5 B7 C2 C5 C6 C7 C8 D2 D8 E2 E5 E6 E7 E8

## Via types
v1: diameter 0.406, hole 0.203, TOP to BOTTOM, 749 vias
v2: diameter 0.559, hole 0.254, TOP to BOTTOM, 1851 vias
v3: diameter 2.794, hole 2.794, TOP to BOTTOM, 1 via

## Routing (per net, layer and track width the routed paths; a pad name or vN(x,y) marks a point on that pad's centre or on a via; arc(x,y) is an arc through that point)
+1.0V: length 27.6
  TOP w0.254: U15.T14 v1(92.45,43.12) ; U15.N15 v1(96.45,42.12) ; U15.P14 v1(94.45,43.12) ; U15.K10 v1(98.45,47.12) ; U15.M14 v1(97.45,43.12) ; U15.J9 v1(99.45,48.12) ; U15.M8 v1(97.45,50.12) ; U15.T12 v1(92.45,46.12) ; U15.U15 v1(91.45,42.12) ; U15.L9 v1(98.45,49.12) ; U15.R15 v1(93.45,42.12) ; U15.K8 v1(99.45,50.12) ; U15.N13 v1(96.45,45.12) ; U15.K14 v1(99.45,43.12) ; U15.R13 v1(93.45,45.12) ; U15.L13 v1(98.45,45.12) ; U15.N9 v1(96.45,49.12) ; U15.L15 v1(98.45,42.12) ; U15.U13 v1(91.45,45.12) ; U15.K12 v1(99.45,46.12)
  BOTTOM w0.254: v1(98.45,49.12) U15.L9 ; U15.K14 v1(99.45,43.12) ; U15.L15 v1(98.45,42.12) ; U15.T12 v1(92.45,46.12) ; v1(98.45,47.12) U15.K10 ; v1(96.45,45.12) U15.N13 ; U15.R13 v1(93.45,45.12) ; v1(99.45,46.12) U15.K12 ; v1(99.45,50.12) U15.K8 ; U15.U13 v1(91.45,45.12) ; v1(94.45,43.12) U15.P14 ; v1(93.45,42.12) U15.R15 ; U15.N15 v1(96.45,42.12) ; v1(98.45,45.12) U15.L13 ; v1(99.45,48.12) U15.J9 ; U15.M14 v1(97.45,43.12) ; v1(92.45,43.12) U15.T14 ; v1(91.45,42.12) U15.U15 ; v1(96.45,49.12) U15.N9
  vias: v2(108.46,83.57) v2(108.46,82.04) v2(109.86,83.57) v2(109.86,82.04) v2(111.25,83.57) v2(111.25,82.04) v2(112.65,55.88) v2(112.65,54.61) v2(112.65,53.34)
+1.5V: length 59.5
  TOP w0.254: U11.D7 v1(122.98,50.06) ; U11.K1 v1(128.58,44.46) ; U15.H10 v1(101.45,48.12) ; U15.AF6 v1(82.45,52.12) ; U15.B8 v1(107.45,50.12) ; v1(125.38,50.86) U11.G8 ; v1(84.23,66.39) U10.G2 ; U10.A9 v1(79.43,72.79) ; U11.B9 v1(121.38,51.66) ; U15.AD2 v1(85.45,55.12) ; U11.E9 v1(123.78,51.66) ; U11.M1 v1(130.18,44.46) ; U10.E9 v1(82.63,72.79) ; U10.B9 v1(80.23,72.79) ; U11.E2 v1(123.78,45.26) ; U10.D7 v1(81.83,71.19) ; U11.A9 v1(120.58,51.66) ; U11.K9 v1(128.58,51.66) ; U10.M1 v1(89.03,65.59) ; U15.E9 v1(104.45,49.12) ; U10.A2 v1(79.43,66.39) ; U11.M9 v1(130.18,51.66) ; U15.C15 v1(105.45,42.12) ; U11.C1 v1(122.18,44.46) ; U11.A2 v1(120.58,45.26) ; U10.E2 v1(82.63,66.39) ; U10.K9 v1(87.43,72.79) ; v1(84.23,71.99) U10.G8 ; U15.AA1 v1(87.45,57.12) ; v1(88.45,53.12) U15.Y4 ; U15.U3 v1(91.45,55.12) ; U10.C1 v1(81.03,65.59) ; U15.D12 v1(105.45,45.12) ; v1(125.38,45.26) U11.G2 ; U15.G13 v1(102.45,45.12) ; U15.A11 v1(108.45,47.12) ; U15.AC5 v1(86.45,52.12) ; U10.K1 v1(87.43,65.59) ; U10.M9 v1(89.03,72.79)
  TOP w0.279: 107.44,75.69 107.18,75.43 U29.2 ; U33.2 151.88,47.16 152.02,47.29
  TOP w0.508: R246.1 v2(158.24,44.07)
  ART08 w0.508: v2(158.24,44.07) 157.48,44.83 157.48,45.26 v2(154.81,47.93)
  BOTTOM w0.254: v1(85.45,55.12) C391.2 ; v1(107.45,50.12) U15.B8
  BOTTOM w0.381: v1(79.43,66.39) 79.33,66.49 C116.2 ; C384.2 v1(86.45,52.12) ; C114.2 88.93,72.89 v1(89.03,72.79) ; C113.2 83.01,73.16 v1(82.63,72.79) ; C140.2 119.88,51.66 v1(120.58,51.66) ; R414.1 v2(111.12,42.16) ; C143.2 130.63,43.74 130.18,44.19 v1(130.18,44.46) ; v1(101.45,48.12) C377.2 ; C117.2 84.33,66.29 v1(84.23,66.39) ; C146.2 128.58,52.16 v1(128.58,51.66) ; C144.2 121.13,51.9 v1(121.38,51.66) ; R408.1 v2(87.57,59.94) ; C112.2 79.99,73.04 v1(80.23,72.79) ; C141.2 122.18,44.21 v1(122.18,44.46) ; v1(120.58,45.26) 120.38,45.46 C139.2 ; C380.2 v1(82.45,52.12) ; C381.2 v1(105.45,45.12) ; v1(123.78,51.66) 124.28,52.16 C138.2 ; v1(81.03,65.59) 81.03,65.22 C119.2 ; v1(102.45,45.12) C385.2 ; C111.2 79.33,72.89 v1(79.43,72.79) ; v1(105.45,40.12) 105.44,40.13 R417.1 ; v1(91.45,55.12) U15.U3 ; v1(125.38,45.26) 125.75,45.63 C145.2 ; R411.1 v2(85.45,59.94) ; C120.2 89.46,64.97 89.03,65.4 v1(89.03,65.59)
  BOTTOM w0.508: v2(108.58,77.22) 109.6,78.23 R202.1
  vias: v2(73.79,59.18) v2(73.79,57.53) v2(75.44,59.18) v2(75.44,57.53) v2(76.83,57.53) v2(79.25,75.95) v2(80.52,75.95) v2(84.71,83.57) v2(84.71,82.17) v2(85.98,83.57) v2(85.98,82.17) v2(87.25,83.57) v2(87.25,82.17) v2(107.44,77.22) v2(112.27,42.16) v2(116.33,42.16) v2(121.92,41.4) v2(123.19,41.4) v2(153.8,47.93)
